# Altium PCB cam_cross_link_generic.PcbDoc (part 1 of 4) (continued)
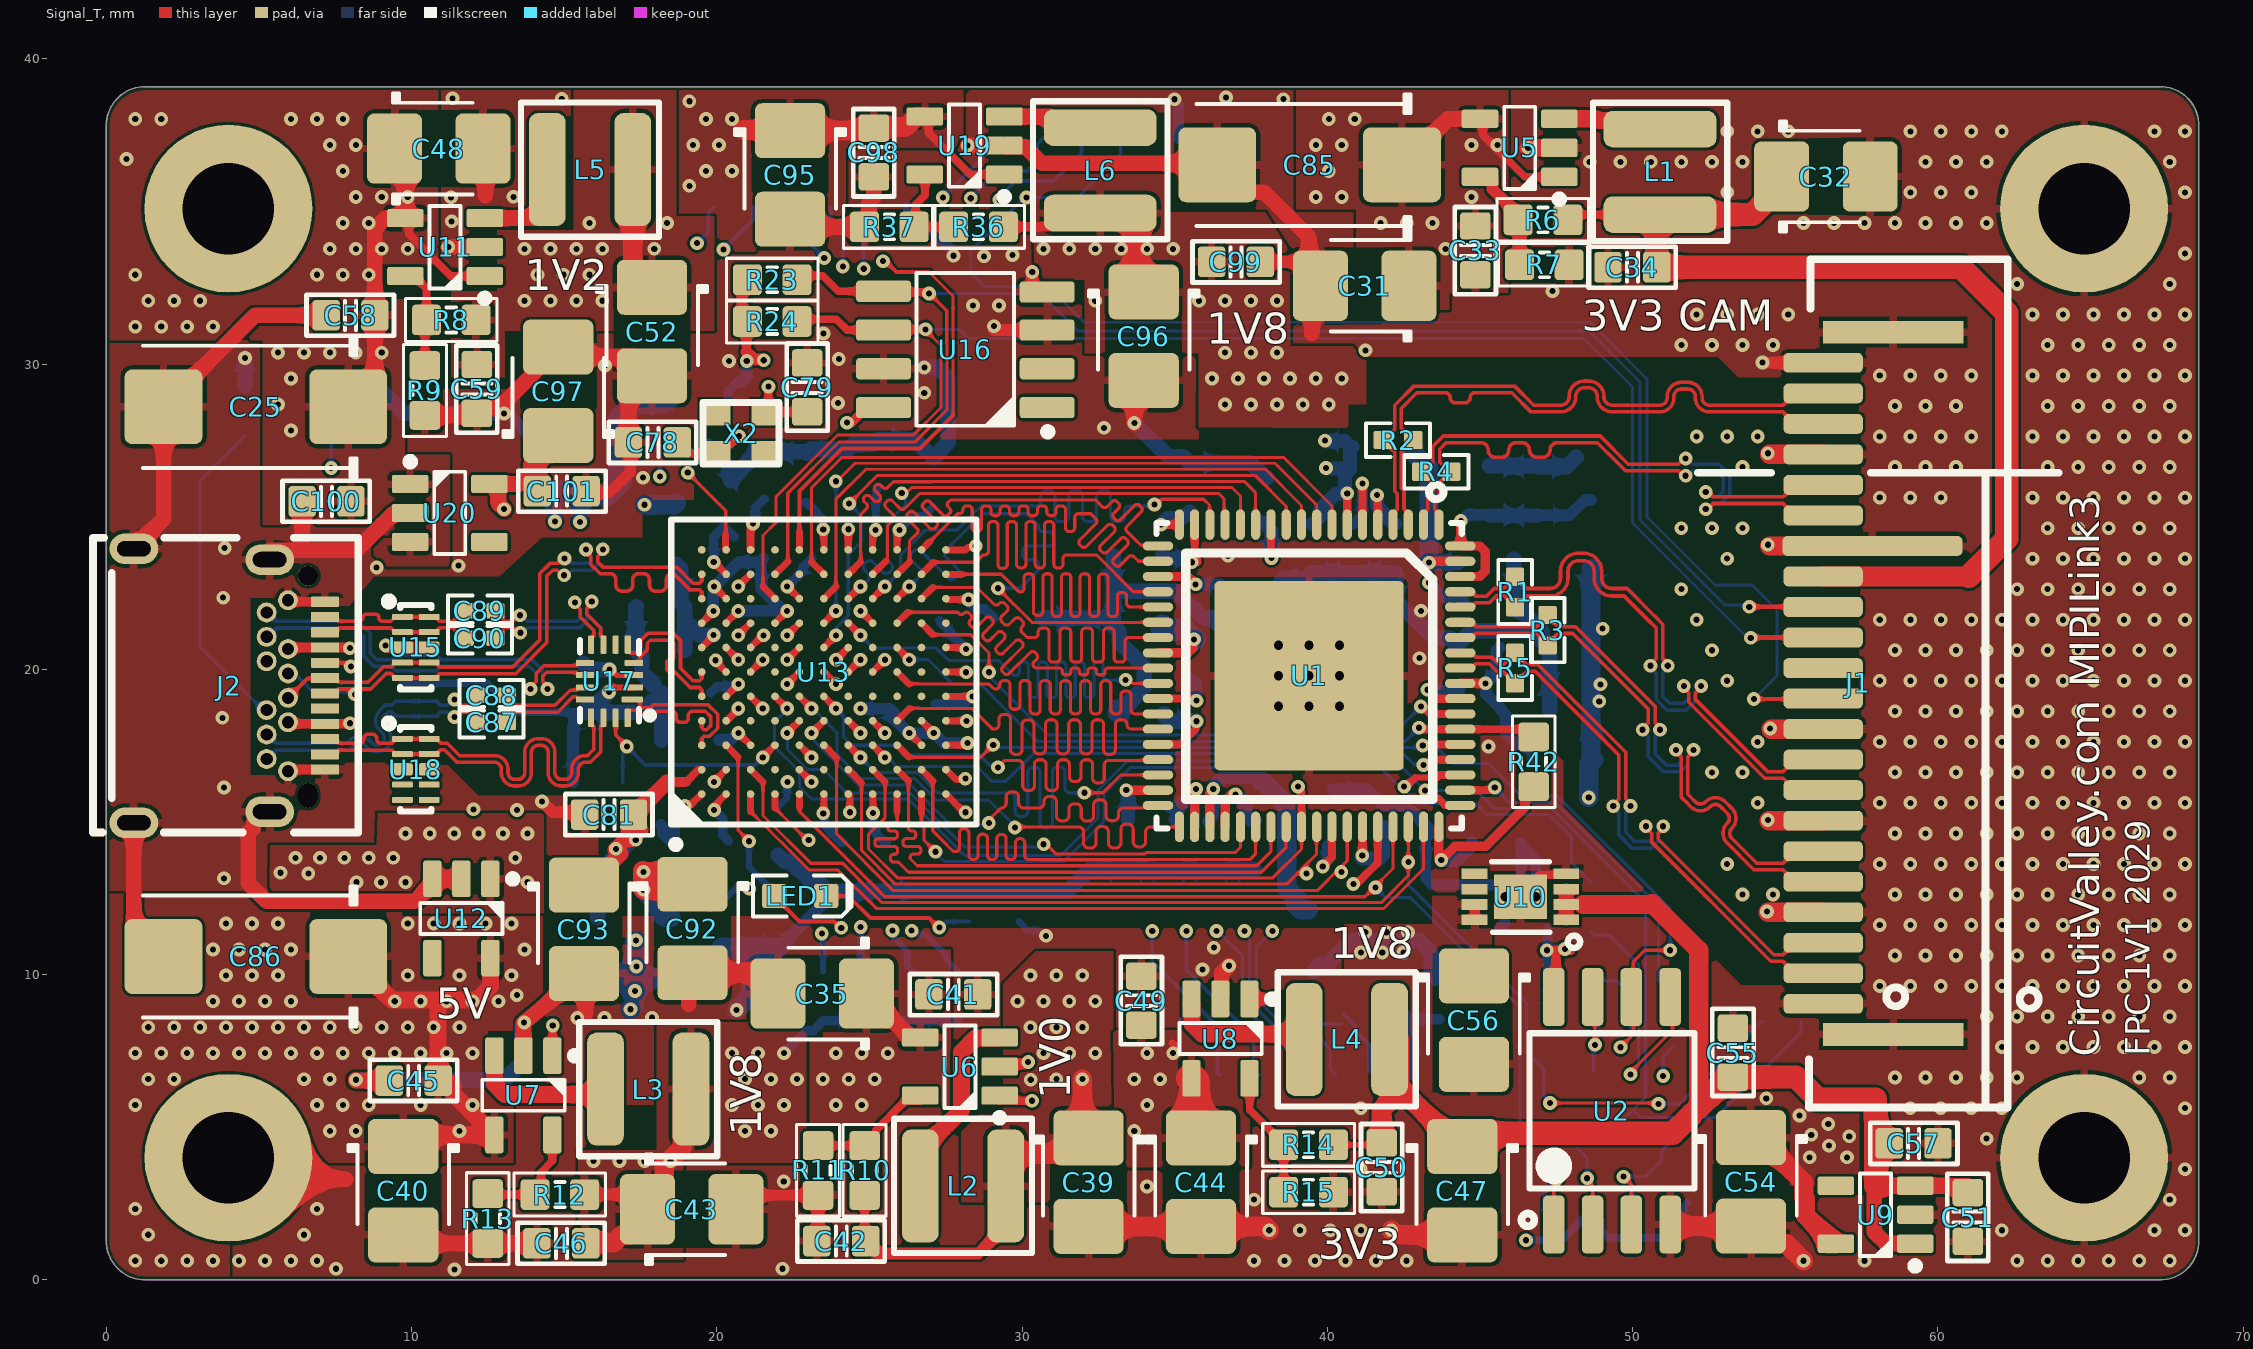
[diagram p0: Signal_T view]
## Footprints (in the part's own frame and the unit in brackets; to place one, negate y for a bottom-side part, rotate by r counter-clockwise, add the part's x,y. Pads: shape width x height; smd on the part's side, far side on the other; paste and mask are expansions set on the pad)
10137062-00021LF [mm] "USB 3.1 USB C"
  oval 1x1.6 hole 0.5 slot 1.1 at 90 deg: 0(-4.446,-2.373) 0(-4.086,2.077) 0(4.174,2.077) 0(4.534,-2.373)
  round 0.65 hole 0.65 unplated: 1(-3.556,3.327)
  oval 0.8x0.65 hole 0.65 slot 0.8 at 0 deg unplated: 1(3.644,3.327)
  rrect20% 0.33x0.93 smd: A1(-2.706,3.887) A2(-2.206,3.887) A3(-1.706,3.887) A4(-1.206,3.887) A5(-0.706,3.887) A6(-0.206,3.887) A7(0.294,3.887) A8(0.794,3.887) A9(1.294,3.887) A10(1.794,3.887) A11(2.294,3.887) A12(2.794,3.887)
  round 0.65 hole 0.4: B1(2.844,2.677) B2(2.444,1.977) B3(1.644,1.977) B4(1.244,2.677) B5(0.844,1.977) B6(0.444,2.677) B7(-0.356,2.677) B8(-0.756,1.977) B9(-1.156,2.677) B10(-1.556,1.977) B11(-2.356,1.977) B12(-2.756,2.677)
  silkscreen extent -4.8,-3.71 4.85,4.98, body extent -4.8,-3.71 4.85,4.99, height 3.19
"Active Oscillator 2520" [mm]
  rect 1x0.85 smd: 1(-0.85,-0.675) 2(0.85,-0.675) 3(0.85,0.675) 4(-0.85,0.675)
  silkscreen extent -1.25,-1 1.25,1, body extent -1.25,-1 1.25,1, height 0.56
CAPC1005N [mm] "Chip Capacitor, Body 1.0x0.5mm, 0402, IPC Medium Density"
  round 0.2 on Mech14: 0(0,0)
  rrect20% 0.6x0.5 smd: 1(-0.5,0) 2(0.5,0)
  Signal_T pour cut-out: -0.2,0.35 0.2,0.35 0.2,-0.35 -0.2,-0.35
  silkscreen extent -1.05,-0.5 1.05,0.5, body extent -0.52,-0.27 0.53,0.28, height 0.55
CAPC1608N [mm] "Chip Capacitor, Body 1.6x0.8mm, 0603, IPC Medium Density"
  round 0.254 on Mech14: 0(0,0)
  rrect25% 0.9x1 smd: 1(-0.8,0) 2(0.8,0)
  silkscreen extent -1.44,-0.67 1.42,0.68, body extent -0.85,-0.45 0.85,0.45, height 0.89
CAPMP3528X210N [mm] "Molded body capacitor, Body 3.5x2.8mm, 1210, IPC Nominal settings"
  round 0.254 on Mech14: 0(0,0)
  rrect25% 1.8x2.3 smd: 1(-1.45,0) 2(1.45,0)
  Signal_T pour cut-out: -0.508,1.27 0.508,1.27 0.508,-1.27 -0.508,-1.27
  silkscreen extent -1.5,-1.8 1.1,1.8, body extent -1.75,-1.4 1.75,1.4, height 2.1
CAPMP7343X310N [mm] "Molded body capacitor, Body 7.3x4.3mm, 2917, IPC Nominal settings"
  round 1 on Mech14: 0(0,0)
  rrect20% 2.55x2.45 smd: 1(-3.025,0) 2(3.025,0)
  silkscreen extent -3.3,-2.3 3.7,2.3, body extent -3.8,-1.97 3.8,1.98, height 3.1
CYP-BZX121 [mm] "BGA, 121-Balls, Body 10x10mm, Pitch 0.8mm"
  round 0.25 smd: A1(-4,4) A2(-3.2,4) A3(-2.4,4) A4(-1.6,4) A5(-0.8,4) A6(0,4) A7(0.8,4) A8(1.6,4) A9(2.4,4) A10(3.2,4) A11(4,4) B1(-4,3.2) B2(-3.2,3.2) B3(-2.4,3.2) B4(-1.6,3.2) B5(-0.8,3.2) B6(0,3.2) B7(0.8,3.2) B8(1.6,3.2) B9(2.4,3.2) B10(3.2,3.2) B11(4,3.2) C1(-4,2.4) C2(-3.2,2.4) C3(-2.4,2.4) C4(-1.6,2.4) C5(-0.8,2.4) C6(0,2.4) C7(0.8,2.4) C8(1.6,2.4) C9(2.4,2.4) C10(3.2,2.4) C11(4,2.4) D1(-4,1.6) D2(-3.2,1.6) D3(-2.4,1.6) D4(-1.6,1.6) D5(-0.8,1.6) D6(0,1.6) D7(0.8,1.6) D8(1.6,1.6) D9(2.4,1.6) D10(3.2,1.6) D11(4,1.6) E1(-4,0.8) E2(-3.2,0.8) E3(-2.4,0.8) E4(-1.6,0.8) E5(-0.8,0.8) E6(0,0.8) E7(0.8,0.8) E8(1.6,0.8) E9(2.4,0.8) E10(3.2,0.8) E11(4,0.8) F1(-4,0) F2(-3.2,0) F3(-2.4,0) F4(-1.6,0) F5(-0.8,0) F6(0,0) F7(0.8,0) F8(1.6,0) F9(2.4,0) F10(3.2,0) F11(4,0) G1(-4,-0.8) G2(-3.2,-0.8) G3(-2.4,-0.8) G4(-1.6,-0.8) G5(-0.8,-0.8) G6(0,-0.8) G7(0.8,-0.8) G8(1.6,-0.8) G9(2.4,-0.8) G10(3.2,-0.8) G11(4,-0.8) H1(-4,-1.6) H2(-3.2,-1.6) H3(-2.4,-1.6) H4(-1.6,-1.6) H5(-0.8,-1.6) H6(0,-1.6) H7(0.8,-1.6) H8(1.6,-1.6) H9(2.4,-1.6) H10(3.2,-1.6) H11(4,-1.6) J1(-4,-2.4) J2(-3.2,-2.4) J3(-2.4,-2.4) J4(-1.6,-2.4) J5(-0.8,-2.4) J6(0,-2.4) J7(0.8,-2.4) J8(1.6,-2.4) J9(2.4,-2.4) J10(3.2,-2.4) J11(4,-2.4) K1(-4,-3.2) K2(-3.2,-3.2) K3(-2.4,-3.2) K4(-1.6,-3.2) K5(-0.8,-3.2) K6(0,-3.2) K7(0.8,-3.2) K8(1.6,-3.2) K9(2.4,-3.2) K10(3.2,-3.2) K11(4,-3.2) L1(-4,-4) L2(-3.2,-4) L3(-2.4,-4) L4(-1.6,-4) L5(-0.8,-4) L6(0,-4) L7(0.8,-4) L8(1.6,-4) L9(2.4,-4) L10(3.2,-4) L11(4,-4)
  silkscreen extent -5.77,-5 5,5, body extent -5,-5 5,5, height 1.2
DFN8_3x2 [mm] "MCP1725"
  rect 0.85x0.35 smd: 1(-1.5,0.75) 2(-1.5,0.25) 3(-1.5,-0.25) 4(-1.5,-0.75) 5(1.5,-0.75) 6(1.5,-0.25) 7(1.5,0.25) 8(1.5,0.75)
  rect 1.75x1.45 smd: 9(0,0)
  silkscreen extent -1.95,-1.14 0.94,1.67, body extent -1.53,-1 1.51,1, height 0.91
FBC2012N [mm] "Ferrite Bead Chip, Body 2.0x1.2mm, 0805, IPC Medium Density"
  round 0.508 on Mech14: 0(0,0)
  rrect25% 0.95x1.35 smd: 1(-1,0) 2(1,0)
  silkscreen extent -0.43,-0.64 0.46,0.64, body extent -1,-0.62 1,0.63, height 0.9
LED-0603-RED [mm]
  round 0.254 on Mech14: 0(0,0)
  rrect25% 0.8x0.8 smd: A(-0.85,0) K(0.85,0)
  Signal_T pour cut-out: -0.5,0.5 0.5,0.5 0.5,-0.5 -0.5,-0.5
  silkscreen extent -1.55,-0.67 1.68,0.67, body extent -0.8,-0.4 0.8,0.4, height 0.75
QFN72_NX [mm] "QFN72 Package For CrossLink NX"
  oval 0.3x1 smd: 1(-4.25,-4.95) 2(-3.75,-4.95) 3(-3.25,-4.95) 4(-2.75,-4.95) 5(-2.25,-4.95) 6(-1.75,-4.95) 7(-1.25,-4.95) 8(-0.75,-4.95) 9(-0.25,-4.95) 10(0.25,-4.95) 11(0.75,-4.95) 12(1.25,-4.95) 13(1.75,-4.95) 14(2.25,-4.95) 15(2.75,-4.95) 16(3.25,-4.95) 17(3.75,-4.95) 18(4.25,-4.95) 37(4.25,4.95) 38(3.75,4.95) 39(3.25,4.95) 40(2.75,4.95) 41(2.25,4.95) 42(1.75,4.95) 43(1.25,4.95) 44(0.75,4.95) 45(0.25,4.95) 46(-0.25,4.95) 47(-0.75,4.95) 48(-1.25,4.95) 49(-1.75,4.95) 50(-2.25,4.95) 51(-2.75,4.95) 52(-3.25,4.95) 53(-3.75,4.95) 54(-4.25,4.95)
  oval 1x0.3 smd: 19(4.95,-4.25) 20(4.95,-3.75) 21(4.95,-3.25) 22(4.95,-2.75) 23(4.95,-2.25) 24(4.95,-1.75) 25(4.95,-1.25) 26(4.95,-0.75) 27(4.95,-0.25) 28(4.95,0.25) 29(4.95,0.75) 30(4.95,1.25) 31(4.95,1.75) 32(4.95,2.25) 33(4.95,2.75) 34(4.95,3.25) 35(4.95,3.75) 36(4.95,4.25) 55(-4.95,4.25) 56(-4.95,3.75) 57(-4.95,3.25) 58(-4.95,2.75) 59(-4.95,2.25) 60(-4.95,1.75) 61(-4.95,1.25) 62(-4.95,0.75) 63(-4.95,0.25) 64(-4.95,-0.25) 65(-4.95,-0.75) 66(-4.95,-1.25) 67(-4.95,-1.75) 68(-4.95,-2.25) 69(-4.95,-2.75) 70(-4.95,-3.25) 71(-4.95,-3.75) 72(-4.95,-4.25)
  rrect5% 6.2x6.2 smd: 73(0,0)
  silkscreen extent -5,-6.26 5,5, body extent -5,-5 5,5, height 0.85
RESC1005N [mm] "Chip Resistor, Body 1.0x0.5mm, EIA 0402, IPC Medium Density"
  round 0.2 on Mech14: 0(0,0)
  rrect20% 0.6x0.6 smd: 1(-0.5,0) 2(0.5,0)
  Signal_T pour cut-out: -0.2,0.35 0.2,0.35 0.2,-0.35 -0.2,-0.35
  silkscreen extent -1.05,-0.55 1.05,0.55, body extent -0.52,-0.27 0.53,0.28, height 0.4
RESC1608N_ZERO [mm] "Chip Resistor, Body 1.6x0.8mm, 0603, IPC Medium Density"
  round 0.254 on Mech14: 0(0,0)
  rrect25% 0.95x1 smd: 1(-0.813,0) 2(0.813,0)
  Signal_T pour cut-out: -0.4,0.6 0.4,0.6 0.4,-0.6 -0.4,-0.6
  silkscreen extent -1.5,-0.7 1.5,0.7, body extent -0.87,-0.47 0.88,0.48, height 0.54
SFW22R [mm] "FCI SFW24R3STE1LF"
  rrect50% 0.65x2.6 smd: 1(-10.5,0.497) 2(-9.5,0.497) 3(-8.5,0.497) 4(-7.5,0.497) 5(-6.5,0.497) 6(-5.5,0.497) 7(-4.5,0.497) 8(-3.5,0.497) 9(-2.5,0.497) 10(-1.5,0.497) 11(-0.5,0.497) 12(0.5,0.497) 13(1.5,0.497) 14(2.5,0.497) 15(3.5,0.497) 17(5.5,0.497) 18(6.5,0.497) 19(7.5,0.497) 20(8.5,0.497) 21(9.5,0.497) 22(10.5,0.497)
  rrect50% 0.65x5.9 smd: 16(4.5,-1.117)
  rect 0.75x4.6 smd: 23(-11.5,-1.8) 24(11.5,-1.8)
  silkscreen extent -13.89,-5.55 13.89,0.97, body extent -13.9,-5.56 13.9,0.94, height 2.71
SMD_3Solder_points_1.27 [mm]
  oval 1.1x1.6 smd: 1(-1.245,0) 2(0.025,0) 3(1.295,0)
  silkscreen extent -2.44,-0.18 -2.03,0.23
SMD_Solder_points_1.27 [mm]
  oval 1.1x1.6 smd: 1(-3.175,-0.025) 2(-1.905,-0.025) 3(-0.635,-0.025) 4(0.635,-0.025) 5(1.905,-0.025) 6(3.175,-0.025)
  silkscreen extent -4.37,-0.2 -3.96,0.2
SOIC8 [mm]
  rrect30% 1x1 on Mech14: 0(0,0)
  rrect30% 1.8x0.7 smd paste-2: 1(-2.68,1.905) 2(-2.68,0.635) 3(-2.68,-0.635) 4(-2.68,-1.88) 5(2.68,-1.905) 6(2.68,-0.635) 7(2.68,0.635) 8(2.68,1.905)
  silkscreen extent -2.83,-2.5 1.6,2.82, body extent -3,-2.45 3,2.45, height 1.75
SOP8 [mm] "MX25L12833F"
  rrect40% 1.9x0.7 smd: 1(-3.727,1.905) 2(-3.727,0.635) 3(-3.727,-0.635) 4(-3.727,-1.905) 5(3.727,-1.905) 6(3.727,-0.635) 7(3.727,0.635) 8(3.727,1.905)
  silkscreen extent -3.78,-2.7 2.54,2.96, body extent -4.07,-2.75 4.07,2.74, height 1.9
SOT23-5 [mm]
  round 0.5 on Mech14: 0(0,0)
  rrect25% 1.2x0.6 smd: 1(-1.3,0.95) 2(-1.3,0) 3(-1.3,-0.95) 4(1.3,-0.95) 5(1.3,0.95)
  silkscreen extent -1.42,-1.35 0.51,1.81, body extent -1.4,-1.45 1.4,1.45, height 1.44
TAIYO_NRS4018T2R2MDGJ [mm] "TAIYO"
  rrect50% 1.2x3.7 smd: 1(-1.4,0) 2(1.4,0)
  silkscreen extent -2.26,-2.2 2.26,2.2, body extent -1.5,-1.5 1.5,1.5, height 1.35
uDFN-10 [mm] "SP3010-04UTG"
  rrect30% 0.2x0.675 smd: 1(1,0.437) 2(0.5,0.437) 4(-0.5,0.437) 5(-1,0.437) 6(-1,-0.437) 7(-0.5,-0.437) 9(0.5,-0.437) 10(1,-0.437)
  rrect30% 0.4x0.675 smd: 3(0,0.437) 8(0,-0.437)
  silkscreen extent -1.38,-0.51 1.64,1.02, body extent -1.24,-0.51 1.27,0.51, height 0.5
UQFN-16 [mm] "HD3SS3202"
  rrect30% 0.7x0.2 smd: 1(-0.75,0.6)
  rrect30% 0.6x0.2 smd: 2(-0.8,0.2) 3(-0.8,-0.2) 4(-0.8,-0.6) 9(0.8,-0.6) 10(0.8,-0.2) 11(0.8,0.2) 12(0.8,0.6)
  rrect30% 0.2x0.6 smd: 5(-0.6,-1.2) 6(-0.2,-1.2) 7(0.2,-1.2) 8(0.6,-1.2) 13(0.6,1.2) 14(0.2,1.2) 15(-0.2,1.2) 16(-0.6,1.2)
  silkscreen extent -1.43,-1.35 0.97,1.32, body extent -0.91,-1.31 0.91,1.31, height 0.57

## Part data
C1 C2 C3 C4 C5 C6 C7 C8 C9 C10 C11 C12 C13 C14 C15 C16 C17 C18 C19 C20 C21 C22 C23 C24 C33 C34 C41 C42 C45 C46 C49 C50 C51 C53 C55 C57 C58 C59 C60 C61 C62 C63 C64 C65 C66 C67 C68 C69 C70 C71 C72 C73 C74 C75 C76 C77 C78 C79 C80 C81 C82 C91 C94 C98 C99 C100 C101: library part CAPC_10p_0603_NP0_1%_50V, "Capacitor SMD Cer 10pF 5% 50V NP0 0603", Manufacturer 1="Murata Electronics North America", Manufacturer Part Number 1=GRM1885C1H100FA01J, Operating Temperature="-55°C ~ 125°C", Package / Case="0603 (1608 Metric)", Ratings="50V; NP0", Supplier Part Number 1=GRM1885C1H100FA01J-ND, Tolerance=±5%, Part=C0603X104K5RAC, Size / Dimension="0.063\" L x 0.032\" W (1.60mm x 0.81mm)", Supplier 1=Digi-Key, Thickness (Max)="0.035\" (0.90mm)"
C25 C85 C86: library part CAPT_330u_2917_6V3, "Capacitor SMD Tant 330uF 20% 6V3 2917", ESR (Equivalent Series Resistance)="15 mOhm", Manufacturer Part Number=T520D337M006ATE015, Manufacturer Size Code=D, Operating Temperature="-55°C ~ 125°C", Package / Case="2917 (7343 Metric)", Ratings=6.3V, Supplier Part Number 1=399-4052-1-ND, Tolerance=±20%, ComponentLink1Description="T520D Datasheet", ComponentLink1URL=http://www.kemet.com/datasheets&T520D337M006ATE015, Height - Seated (Max)="0.122\" (3.10mm)", Material="Solid Tantalum", Part=TAJD336K020R, Size / Dimension="0.287\" L x 0.169\" W (7.30mm x 4.30mm)", Supplier 1=Digi-Key
C31 C32 C35 C39 C40 C43 C44 C47 C48 C52 C54 C56 C92 C93 C95 C96 C97: library part CAPT_47u_1210_6V3, "Capacitor SMD Tantalum 47uF 20% 6.3V 1210", ESR (Equivalent Series Resistance)="70.0 mOhm", Manufacturer 1="AVX Corporation", Manufacturer Part Number 1=TCJB476M006R0070, Manufacturer Size Code=B, Operating Temperature="-55°C ~ 125°C", Package / Case="1210 (3528 Metric)", Ratings=10V, Supplier Part Number 1=478-3139-1-ND, Tolerance=±20%, Voltage - Rated=6V3, ComponentLink1Description=http://www.avx.com/docs/Catalogs/tcj.pdf, ComponentLink1URL=http://www.avx.com/docs/Catalogs/tcj.pdf, Height - Seated (Max)="0.083\" (2.10mm)", Material=Tantalum, Size / Dimension="0.138\" L x 0.110\" W (3.50mm x 2.80mm)", Supplier 1=Digi-Key, Type=Molded
C87 C88 C89 C90: library part CAPC_10n_0402_16V_10%, "Capacitor SMD Cer 10nF 10% 16V X7R 0402", Manufacturer 1="AVX Corporation", Manufacturer 2=Yageo, Manufacturer Part Number 1=0402YC103KAT2A, Manufacturer Part Number 2=CC0402KRX7R7BB103, Operating Temperature="-55°C ~ 125°C", Package / Case="0402 (1005 Metric)", Ratings="16V; X7R", Supplier Part Number 1=478-1114-1-ND, Tolerance=±10%, ComponentLink1Description=http://www.avx.com/docs/Catalogs/cx7r.pdf, ComponentLink1URL=http://www.avx.com/docs/Catalogs/cx7r.pdf, ComponentLink2Description=http://www.yageo.com/documents/recent/UPY-GPHC_X7R_6.3V-to-50V_8.pdf, ComponentLink2URL=http://www.yageo.com/documents/recent/UPY-GPHC_X7R_6.3V-to-50V_8.pdf, Size / Dimension="0.039\" L x 0.020\" W (1.00mm x 0.50mm)", Supplier 1=Digi-Key, Supplier 2=Digi-Key, Supplier Part Number 2=311-1042-1-ND
FB1 FB2 FB3 FB4 FB5 FB6 FB7 FB8: library part FERRITE_0805, "Ferrite bead 2.2K Ohm at 100 MHz 200mA 0805 SMD", Current Rating=200mA, DC Resistance (DCR)="800 mOhm Max", Impedance @ Frequency="600 Ohm @ 100MHz", Manufacturer 1="Laird-Signal Integrity Products", Manufacturer Part Number 1=HZ0805B222R-10, Package / Case="0805 (2012 Metric)", Ratings="200 mA; 800 mOhm DC", Supplier Part Number 1=240-2562-1-ND, ComponentLink1Description=http://www.lairdtech.com/WorkArea/linkit.aspx?LinkIdentifier=id&ItemID=4879, ComponentLink1URL=http://www.lairdtech.com/WorkArea/linkit.aspx?LinkIdentifier=id&ItemID=4879, Filter Type="Differential Mode - Single", Height (Max)="0.043\" (1.09mm)", Mounting Type="Surface Mount", Size / Dimension="0.063\" L x 0.031\" W (1.60mm x 0.80mm)", Supplier 1=Digi-Key
J1: "22 Pin FPC"
J2: library part USB_C, "USB C connector"
L1 L2 L3 L4 L5 L6: library part inductor_smd, PartNumber=NRS4018T2R2MDGJ
LED1: library part LED_SMD_Red_0603_220mcd, "LED 0603 SMD Hyper Red 630nm 220mcd 20mA", Manufacturer 1="Kingbright Corp", Manufacturer Part Number 1=APT1608SURCK, Package / Case="0603 (1608 metric)", Ratings="220 mcd; 630 nm", Supplier Part Number 1=754-1123-1-ND, Voltage - Forward (Vf) @ 10mA=1.9V, Voltage - Forward (Vf) Typ=1.95V, Material="AlGaInP on GaAs", Supplier 1=Digi-Key
P1 P2 P3: "Header, 6-Pin", LatestRevisionDate=17-Jul-2002, LatestRevisionNote="Re-released for DXP Platform.", Publisher="Altium Limited"
P4: "Header, 3-Pin", LatestRevisionDate=17-Jul-2002, LatestRevisionNote="Re-released for DXP Platform.", Publisher="Altium Limited"
R1 R2 R3 R4 R5: library part RES_1M_0402_5%, "Resistor SMD chip 1M Ohm 0.063W 5% 0402", Manufacturer 1="Vishay Dale", Manufacturer 2=Yageo, Manufacturer Part Number 1=CRCW04021M00JNED, Manufacturer Part Number 2=RC0402JR-071ML, Package / Case="0402 (1005 Metric)", Power Rating="0.063W, 1/16W", Ratings="1/16 W", Supplier Part Number 1=541-1.0MJCT-ND, Tolerance=±5%, ComponentLink1Description=http://www.vishay.com/doc?20035, ComponentLink1URL=http://www.vishay.com/doc?20035, ComponentLink2Description=http://www.yageo.com/documents/recent/PYu-RC0402_51_RoHS_L_6.pdf, ComponentLink2URL=http://www.yageo.com/documents/recent/PYu-RC0402_51_RoHS_L_6.pdf, Material="Thick Film", Supplier 1=Digi-Key, Supplier 2=Digi-Key, Supplier Part Number 2=311-1.0MJRCT-ND
R6 R7 R8 R9 R10 R11 R12 R13 R14 R15 R16 R17 R19 R20 R21 R22 R23 R24 R25 R26 R27 R28 R29 R30 R31 R32 R33 R34 R35 R36 R37 R38 R39 R40 R41 R42 R43: library part RES_0R_0603, "Resistor SMD chip 0.0 Ohm 0.1W 0603", Manufacturer 1=Vishay/Dale, Manufacturer Part Number 1=CRCW06030000Z0EA, Package / Case="0603 (1608metric)", Ratings=1/10W, Supplier Part Number 1=541-0.0GCT-ND, Tolerance=±5%, Supplier 1=Digi-Key
U1: "QFN 72 LIFCL"
U2: library part MX25L12833F, "Flash 128Mbit for Lattice FPGA"
U10: library part MCP1725, "LDO"
U12: "USB Overvoltage Protection"
U13: "EZ-USB(R) FX3: SuperSpeed USB Controller, 512 KB, 60 I/Os, 0 to 70 degC, 121-Pin FBGA (BZX121)", Manufacturer=Cypress, Max. Operating Temp. (degreesC)=70, Max. Operating Voltage (V)=1.25, Min. Operating Temp. (degreesC)=0, Min. Operating Voltage (V)=1.15, Supplier Part Number 1=428-3182-ND, Code_JEDEC="PUB 95", ComponentLink1Description="Manufacturer URL", ComponentLink1URL=http://www.cypress.com/, ComponentLink2Description=Datasheet, ComponentLink2URL=http://www.cypress.com/?docID=49087, ComponentLink3Description="Package Specification", ComponentLink3URL=http://www.cypress.com/?docID=45795, CPU Core="ARM926 EJ-S", DatasheetVersion="Rev. *O", Memory Architecture=SRAM, Memory Size (KB)=512, Mounting Technology="Surface Mount", No. of I/Os=60, PackageDescription="121-Ball FBGA, Body 10 x 10 mm, Pitch 0.8 mm", PackageReference=BZX121, PackageVersion="Rev. *D", PartNumber=CYUSB3014-BZXC, RoHS=Pb-Free, Supplier 1=Digi-Key, Supplier 2=Farnell, Supplier 3=Newark, Supplier 4=Mouser, Supplier Part Number 2=2355789, Supplier Part Number 3=54W7901, Supplier Part Number 4=727-CYUSB3014-BZXC
U14 U15 U18: "ESD Protection"
U16: "2Mbit I2C EEPROM"
U17: "USB 3.0 Mux"
X2: library part Crystal, "Crystal Oscillator"

## Free pads (board coordinates)
  round 5.5 hole 3: 0(4,4) 0(4,35.091) 0(64.795,4) 0(64.795,35.091)

## Via types
v1: diameter 0.45, hole 0.2, Signal_T to Signal_B, tented both sides, 865 vias
v2: diameter 0.5, hole 0.3, Signal_T to Signal_B, 9 vias
v3: diameter 0.45/0.2/0.2/0.2/0.2/0.2 (per signal layer), hole 0.2, Signal_T to Signal_B, tented both sides, 8 vias
v4: diameter 0.7, hole 0.3, Signal_T to Signal_B, 2 vias

## Nets (pads, with @x,y where several pads share a name; then routed paths per layer and width w, separated by ;. In a path a pad name is that pad's centre, name@x,y a point inside that pad or via, vN(x,y) a via of type N, cw(c..) or ccw(c..) an arc to the next point about the centre after c; other vN are vias at no path point)
1V0: C17.2 C18.2 C19.2 C20.2 C21.2 C22.2 C23.2 C24.2 C39.1 C42.2 L2.2 R10.1 U1.5 U1.6 U1.12 U1.21 U1.35 U1.38 U1.40 U1.62 | length 32.5
  Signal_T w0.254: R10.1@24.841,2.768 24.841,1.27 C42.2@24.879,1.27 24.879,1.247 25.262,0.864 C42.2@25.285,0.864 ; L2.2@29.467,1.762 L2.2@29.467,3.073 ; U1.12@38.155,24.74 38.155,23.669 v1(38.176,23.647) ; v1(41.148,26.086) 41.155,26.079 U1.6@41.155,24.74 ; v1(41.631,25.705) 41.655,25.681 U1.5@41.655,24.74
  Signal_T w0.279: v1(43.282,19.329) 43.571,19.04 U1.62@44.007,19.04
  Signal_T w0.305: v1(33.414,16.04) U1.35@34.455,16.04 ; U1.21@34.455,23.04 35.431,23.04 v1(35.687,22.784) ; U1.38@35.655,14.84 35.655,15.981 35.703,16.029 v1(35.703,16.077) ; U1.40@36.655,14.84 36.655,15.703 36.855,15.903 36.86,15.899 v1(36.996,15.899)
  Signal_T w0.381: C42.2@25.286,0.864 28.569,0.864 L2.2@29.467,1.762
  Signal_T w0.635: L2.2@29.467,3.073 29.467,3.84 29.749,4.122 31.831,4.122 C39.1@32.08,4.371 ; v1(31.975,6.574) 31.975,4.857 C39.1@32.182,4.65
  Signal_B w0.305: C24.2@36.513,22.784 C24.2@36.64,22.657 ; v1(43.282,19.329) 44.336,19.329 C20.2@44.374,19.368 ; C20.2@44.152,19.146 C20.2@44.374,19.146
  Signal_B w0.356: C21.2@40.869,24.765 40.876,24.765 41.148,25.037 41.148,25.555 41.151,25.558 41.151,26.083 v1(41.148,26.086)
  Signal_B w0.381: v1(35.687,22.784) C24.2@36.513,22.784
  Signal_B w0.457: v1(33.414,16.04) 33.477,15.977 C17.2@33.477,15.075 ; C18.2@35.027,15.075 35.075,15.123 35.075,15.449 v1(35.703,16.077) ; v1(36.996,15.899) 37.325,15.57 37.325,15.521 37.336,15.509 37.336,15.253 37.54,15.049 C19.2@37.627,15.049 ; C23.2@37.884,24.816 C23.2@38.024,24.676 38.176,24.524 v1(38.176,23.647) ; v1(41.631,25.705) 41.631,25.349 41.943,25.036 41.943,24.986 42.165,24.765 C22.2@42.215,24.765
  other v1: 30.286,6.555 31.125,6.574 30.7,7.424 31.55,7.424 32.4,7.424 30.275,8.274 31.125,8.274 31.975,8.274 29.85,9.124 30.7,9.124 31.55,9.124 32.4,9.124 30.275,9.974 31.125,9.974 31.975,9.974
1V2: C52.1 C59.2 C68.2 C69.2 C70.2 C71.2 C72.2 C73.2 C74.2 C75.2 FB5.1 FB6.1 FB7.1 L5.2 R8.1 U13.B10 U13.C3 U13.E9 U13.F11 U13.H1 U13.J11 U13.L5 U13.L7 | length 25.3
  Signal_T w0.229: v1@19.899,23.499 19.922,23.499 U13.B10@20.307,23.113 ; v1@20.701,17.907 20.714,17.907 U13.C3@21.107,17.513 ; v1@22.301,22.708 22.313,22.708 U13.E9@22.707,22.313 ; U13.F11@23.507,23.913 v1@23.507,24.566 ; U13.H1@25.107,15.913 25.116,15.904 25.116,15.871 25.121,15.867 v1(25.121,15.291) ; U13.J11@25.907,23.913 25.907,24.418 25.984,24.495 v1(25.984,24.562) ; U13.L5@27.507,19.113 28.383,19.113 v1(28.387,19.109) ; U13.L7@27.507,20.713 28.048,20.713 28.102,20.659 v1(28.169,20.659)
  Signal_T w0.254: v1(23.488,24.585) v1@23.507,24.566
  Signal_T w0.635: L5.2@17.25,36.373 17.25,33.474 17.272,33.452 17.272,33.097 17.855,32.514 C52.1@17.882,32.514
  Signal_B w0.254: v1(25.984,24.562) 26.454,25.032 26.784,25.032 C68.2@27.076,25.324
  Signal_B w0.305: v1@19.899,23.499 19.899,24.338 20.197,24.636 C70.2@20.246,24.636 ; C70.2@20.223,24.636 20.273,24.636 C70.2@20.571,24.338 ; v1@22.301,22.709 22.816,23.224 22.816,23.324 C71.2@23.114,23.622 ; C69.2@22.908,25.459 22.958,25.459 23.256,25.161 23.256,25.111 23.449,24.918 23.449,24.663 23.461,24.652 23.461,24.596 v1@23.449,24.585 ; v1(25.121,15.291) 25.121,14.757 25.205,14.673 25.205,14.623 25.502,14.325 C75.2@25.552,14.325 ; C73.2@27.155,18.875 28.136,18.875 28.37,19.109 v1(28.387,19.109) ; C74.2@27.298,21.586 27.596,21.288 27.596,21.232 v1(28.169,20.659)
  Signal_B w0.381: C72.2@20.059,17.685 20.461,17.685 20.682,17.907 v1@20.701,17.907
  Signal_B w0.635: FB7.1@16.104,9.871 17.297,9.871 ; v1(17.17,8.865) 17.297,8.992 17.297,9.871 ; v1(17.35,11.12) 17.297,11.067 17.297,9.871 ; v1(17.631,25.39) 18.615,25.39 FB5.1@18.669,25.444 ; FB6.1@18.491,9.871 17.297,9.871
  other v1: 17.324,9.458 17.365,10.263 20.707,17.913 22.307,22.713 19.899,23.513 13.7,32.074 14.55,32.074 15.4,32.074 16.25,32.074 14.125,32.924 14.975,32.924 15.825,32.924 13.7,33.774 14.55,33.774 15.4,33.774 16.25,33.774 17.95,33.774 15.825,34.624 18.375,34.624
1V8: C43.1 C46.2 C62.2 C63.2 C64.2 C65.2 C66.2 C67.2 FB4.1 L3.2 R12.1 R22.2 R23.2 R24.1 R25.2 R26.2 R27.2 U13.B1 U13.C11 U13.E3 U13.F1 U13.H11 U13.L9 U16.8 | length 34.3
  Signal_T w0.229: v1(19.914,15.392) 19.961,15.44 19.961,15.567 U13.B1@20.307,15.913 ; U13.E3@22.707,17.513 23.101,17.12 v1@23.114,17.12 ; v1@23.507,15.36 U13.F1@23.507,15.913 ; U13.H11@25.107,23.913 25.107,24.397 25.205,24.495 v1(25.205,24.562) ; U13.L9@27.507,22.313 27.536,22.285 v1@28.169,22.285
  Signal_T w0.254: U13.C11@21.107,23.913 21.107,24.695 v1(21.184,24.772)
  Signal_T w0.305: R23.2@20.828,32.868 20.828,31.471 20.972,31.327 20.972,30.403 ; v1@21.511,30.152 v1(21.539,30.124) ; v1(24.267,28.079) 24.279,28.067 24.406,28.067 24.913,28.575 U16.8@25.463,28.575
  Signal_T w0.381: R12.1@15.71,2.756 R12.1@15.672,2.794 17.244,2.794 C43.1@17.727,2.311 ; 20.972,30.403 21.222,30.152 v1@21.511,30.152
  Signal_T w0.635: C46.2@15.71,1.194 15.741,1.225 16.64,1.225 16.895,1.479 17.145,1.479 17.727,2.061 C43.1@17.727,2.311 18.281,2.866 18.281,3.752 18.872,4.343 18.872,5.966 L3.2@19.155,6.248
  Signal_INT w0.203: v1@22.316,16.292 v1(22.316,16.313) v1@22.316,16.321
  Signal_INT w0.254: v1@22.316,16.321 v1@23.114,17.12
  Signal_B w0.229: C63.2@22.022,15.507 22.299,15.784 22.299,16.276 v1@22.316,16.292
  Signal_B w0.254: v1(25.205,24.562) 25.205,25.853 C62.2@25.273,25.921
  Signal_B w0.305: v1(19.914,15.392) 20.196,15.11 20.196,14.564 C67.2@20.383,14.376 ; FB4.1@20.38,28.905 20.38,29.105 20.703,29.428 FB4.1@20.802,29.428 ; v1(20.98,30.099) 21.514,30.099 v1(21.539,30.124) ; v1(21.184,24.772) 21.184,24.811 21.263,24.891 21.263,25.284 C65.2@21.559,25.58 ; v1(22.2,7.424) 22.936,8.161 23.162,8.161 R22.2@23.485,8.483 R27.2@27.903,8.483 ; v1@23.49,15.206 23.518,15.178 23.518,14.938 23.782,14.673 23.782,14.623 24.08,14.325 C66.2@24.13,14.325 ; v1@28.169,22.285 28.468,21.985 28.773,21.985 29.07,21.688 C64.2@29.07,21.666
  Signal_B w0.381: FB4.1@20.802,29.428 20.98,29.606 v1(20.98,30.099)
  other v1: 15.965,3.886 16.815,3.886 17.634,3.884 18.484,3.884 20.925,4.874 21.775,4.874 20.5,5.724 21.35,5.724 22.2,5.724 20.925,6.574 21.775,6.574 22.625,6.574 20.5,7.424 21.35,7.424 23.49,15.282 23.107,17.113 28.245,22.285
3V3: C47.1 C50.2 C51.2 C55.2 C57.2 L4.2 R14.1 U9.1 U9.3 U10.1 U10.2 U10.3 | length 43.2
  Signal_T w0.178: R14.1@40.199,4.42 41.72,4.42 C50.2@41.783,4.483
  Signal_T w0.381: U10.1@47.83,11.798 U10.2@47.83,12.298 ; U10.3@47.83,12.798 U10.2@47.83,12.298 ; 48.387,12.294 48.383,12.298 U10.2@47.83,12.298
  Signal_T w0.508: U9.1@59.263,1.184 58.303,1.184 57.912,1.575 57.912,2.786 58.21,3.084 U9.3@59.263,3.084 60.985,3.084 C51.2@60.985,2.857
  Signal_T w0.635: C50.2@41.783,4.483 41.783,5.581 42.37,6.168 L4.2@42.37,7.874 ; L4.2@42.37,6.287 43.592,5.065 43.592,4.954 44.175,4.371 C47.1@44.348,4.371 ; 48.387,12.294 50.622,12.294 50.648,12.319 52.172,10.795 52.172,5.65 51.95,5.429
  Signal_T w0.762: C47.1@44.425,4.371 44.854,4.801 51.322,4.801 51.95,5.429 ; 52.172,5.65 53.095,6.573 53.22,6.573 C55.2@53.289,6.642 55.359,6.642 56.083,5.918 57.963,5.918 57.963,3.084 58.21,3.084
+5V: C25.1 C31.1 C33.2 C35.1 C40.1 C41.2 C44.1 C45.2 C48.1 C49.2 C58.2 C85.1 C86.1 C95.1 C98.2 C100.2 U5.1 U5.4 U6.1 U6.4 U7.1 U7.4 U8.1 U8.4 U11.1 U11.4 U12.5 U13.E11 U19.1 U19.4 U20.1 U20.3 | length 78.8
  Signal_T w0.096: 26.949,33.02 27.737,32.233 27.737,31.837 ; 27.743,28.412 27.743,31.83
  Signal_T w0.127: 22.707,24.511 22.707,25.73 22.708,25.847 24.098,27.238 26.662,27.238 27.737,28.313 27.737,28.406 27.743,28.412 ; v1(25.449,33.371) 25.537,33.371 25.887,33.02 26.949,33.02 ; 27.737,31.837 27.743,31.83
  Signal_T w0.229: U13.E11@22.707,23.913 22.707,24.511
  Signal_T w0.254: U11.4@9.8,34.783 9.92,34.663 9.92,34.251 11.288,32.883 U11.1@12.4,32.883 ; U7.1@14.615,7.345 14.625,7.355 v1(14.625,8.333) ; U19.4@26.818,38.11 26.938,37.99 26.938,37.578 28.306,36.21 U19.1@29.418,36.21 ; U6.1@29.265,5.857 30.174,5.867 30.175,5.867 v1(30.328,5.867) ; 34.925,7.747 34.976,7.696 ; U5.4@45.004,38.034 45.099,37.939 45.099,37.502 46.467,36.134 U5.1@47.604,36.134
  Signal_T w0.381: U8.1@37.45,9.199 38.188,9.199 38.209,9.221 v1(38.227,9.221)
  Signal_T w0.508: C25.1@7.927,28.6 8.801,29.474 C58.2@8.801,31.598 8.801,34.43 9.169,34.798 9.785,34.798 U11.4@9.8,34.783 9.8,36.705 C48.1@9.447,37.059 ; C35.1@24.905,9.377 24.905,9.127 25.551,8.481 25.801,8.481 26.301,7.981 26.619,7.981 U6.4@26.665,7.935 ; C85.1@42.446,36.525 42.496,36.525 43.467,37.496 43.467,37.546 43.955,38.034 U5.4@45.004,38.034
  Signal_T w0.559: C86.1@7.927,10.592 7.977,10.592 8.923,9.646 8.923,9.596 9.35,9.169 v1@11.1,9.169 ; C40.1@9.728,4.371 10.102,4.745 U7.4@12.715,4.745 12.715,5.045 12.695,5.066 12.395,5.066 11.359,6.101 11.359,6.332 C45.2@11.189,6.502 ; C45.2@10.871,6.528 10.871,8.941 v1@11.1,9.169 ; U12.5@12.583,10.536 12.583,9.611 12.141,9.169 v1@11.1,9.169
  Signal_T w0.635: 20.853,37.668 22.403,37.668 C95.1@22.403,37.645 25.146,37.645 C98.2@25.146,37.732 25.18,37.766 26.209,37.766 26.553,38.11 U19.4@26.818,38.11
  Signal_T w1: U8.4@35.55,6.599 35.65,6.499 35.65,4.865 C44.1@35.865,4.65
  PWR w0.203: v1(25.449,33.371) 25.476,33.398 25.476,35.636
  PWR w0.254: 36.22,7.696 36.622,7.696 v1@38.076,9.15
  Signal_INT w0.203: v1(25.6,7.424) 27.157,5.867 v1(30.328,5.867)
  Signal_INT w0.254: v1(13.45,9.324) 13.476,9.324 14.468,8.333 v1(14.625,8.333)
  other v1: 0.95,0.624 1.8,0.624 2.65,0.624 3.5,0.624 1.375,1.474 0.95,2.324 7.325,4.874 8.175,4.874 11.575,4.874 33.675,4.874 0.95,5.724 6.9,5.724 7.75,5.724 8.6,5.724 10.3,5.724 12,5.724 23.9,5.724 24.75,5.724 34.1,5.724 1.375,6.574 2.225,6.574 6.475,6.574 7.325,6.574 23.475,6.574 24.325,6.574 25.175,6.574 33.675,6.574 34.525,6.574 0.95,7.424 1.8,7.424 2.65,7.424 3.5,7.424 4.35,7.424 5.2,7.424 6.05,7.424 6.9,7.424 7.75,7.424 8.6,7.424 9.45,7.424 10.3,7.424 11.15,7.424 12,7.424 23.9,7.424 24.75,7.424 34.1,7.424 34.95,7.424 1.375,8.274 2.225,8.274 3.075,8.274 3.925,8.274 4.775,8.274 5.625,8.274 6.475,8.274 7.325,8.274 8.175,8.274 9.025,8.274 9.875,8.274 10.725,8.274 11.575,8.274 3.5,9.124 4.35,9.124 5.2,9.124 6.05,9.124 9.45,9.124 10.3,9.124 11.15,9.124 12,9.124 12.85,9.124 3.925,9.974 4.775,9.974 5.625,9.974 9.875,9.974 11.575,9.974 13.275,9.974 3.5,10.824 4.35,10.824 5.2,10.824 6.05,10.824 13.7,10.824 3.925,11.674 4.775,11.674 5.625,11.674 9.875,11.674 10.725,11.674 11.575,11.674 12.425,11.674 13.275,11.674 6.05,27.824 5.625,28.674 6.05,29.524 5.625,30.374 6.475,30.374 7.325,30.374 8.175,30.374 9.025,30.374 0.95,31.224 1.8,31.224 2.65,31.224 3.5,31.224 1.375,32.074 2.225,32.074 3.075,32.074 0.95,32.924 6.9,32.924 7.75,32.924 8.6,32.924 7.325,33.774 8.175,33.774 9.025,33.774 9.875,33.774 43.875,33.774 7.75,34.624 8.6,34.624 41.75,34.624 42.6,34.624 43.45,34.624 8.175,35.474 9.025,35.474 9.875,35.474 39.625,35.474 40.475,35.474 44.725,35.474 19.101,35.839 7.75,36.324 19.65,36.324 20.5,36.324 40.05,36.324 0.66,36.721 7.325,37.174 8.175,37.174 19.225,37.174 20.075,37.174 39.625,37.174 40.475,37.174 44.725,37.174 45.575,37.174 0.95,38.024 1.8,38.024 6.05,38.024 6.9,38.024 7.75,38.024 19.65,38.024 20.5,38.024 40.05,38.024 40.9,38.024 19.101,38.608
B1_N: C88.2 U17.11 | length 3
  Signal_T w0.117: C88.2@13.124,19.152 13.174,19.152 13.365,18.96 13.365,18.885 13.434,18.817 14.697,18.817 15.199,19.318 15.394,19.318 15.485,19.409 U17.11@15.685,19.409
B1_P: C87.2 U17.12 | length 3
  Signal_T w0.117: C87.2@13.124,18.263 13.174,18.263 13.365,18.454 13.365,18.529 13.434,18.598 14.788,18.598 15.289,19.099 15.394,19.099 15.485,19.009 U17.12@15.685,19.009
C1_N: C90.2 U17.7 | length 5.8
  Signal_T w0.117: C90.2@12.743,21.02 12.793,21.02 12.984,21.211 12.984,21.289 13.053,21.358 13.329,21.358 13.489,21.198 v1(13.564,21.198) ; v1@15.906,22.2 15.906,22.15 15.746,21.99 15.746,21.804 16.194,21.356 16.194,21.099 16.285,21.009 U17.7@16.285,20.809
  Signal_B w0.117: v1(13.564,21.198) 13.639,21.198 13.799,21.358 15.521,21.358 15.746,21.583 15.746,21.99 15.906,22.15 v1@15.906,22.2
  other v1: 15.906,22.225
C1_P: C89.2 U17.8 | length 5.5
  Signal_T w0.117: C89.2@12.743,21.915 12.793,21.915 12.984,21.723 12.984,21.646 13.053,21.577 13.329,21.577 13.489,21.737 v1@13.564,21.737 ; v1@15.367,22.2 15.367,22.125 15.527,21.965 15.527,21.713 15.975,21.265 15.975,21.099 15.885,21.009 U17.8@15.885,20.809
  Signal_B w0.117: v1@13.564,21.737 13.639,21.737 13.799,21.577 15.43,21.577 15.527,21.674 15.527,21.965 15.367,22.125 15.367,22.2 v1@15.367,22.29
  other v1: 13.557,21.772 15.349,22.195
C_3V3: C32.1 C34.2 J1.15 L1.2 R6.1 | length 35.1
  Signal_T w0.254: R6.1@47.574,34.897 L1.2@50.622,34.897
  Signal_T w0.635: C34.2@50.796,33.171 50.789,33.179 50.789,34.784 L1.2@50.902,34.897
  Signal_T w0.65: J1.15@56.246,23.041 61.014,23.041
  Signal_T w0.762: C34.2@50.796,33.171 60.758,33.171 62.255,31.674 62.255,24.282 61.014,23.041 ; L1.2@50.902,34.897 53.922,34.897 54.368,35.343 54.368,35.375 54.629,35.636 C32.1@54.887,35.636
CAM_CLK_N: J1.8 R1.1 U1.69 | length 19.3
  Signal_T w0.117: U1.69@44.355,22.54 44.724,22.54 44.865,22.399 45.223,22.399 45.471,22.647 45.779,22.647 45.911,22.78 45.911,22.789 R1.1@46.152,23.03 46.534,22.648 47.117,22.648 47.298,22.648 ccw(c47.298,22.99) 47.64,22.99 47.64,23.217 cw(c48.228,23.217) 48.228,23.804 48.398,23.804 cw(c48.398,23.217) 48.986,23.217 48.986,22.99 ccw(c49.328,22.99) 49.328,22.648 49.824,22.648 50.665,21.807 50.724,21.749 50.994,21.479 50.994,20.352 51.154,20.192 v1(51.154,20.117) ; v1@51.683,19.456 51.683,19.379 51.841,19.221 51.841,18.919 54.329,16.432 54.936,16.432 55.327,16.041 J1.8@56.246,16.041
  Signal_B w0.117: v1(51.154,20.117) 51.154,20.042 50.994,19.882 50.994,19.105 51.215,18.884 51.672,18.884 51.843,19.055 51.843,19.221 51.683,19.381 v1@51.683,19.456
  other v1: 51.681,19.456
CAM_CLK_P: J1.9 R1.2 U1.68 | length 19.3
  Signal_T w0.117: U1.68@44.355,22.04 44.724,22.04 44.865,22.18 45.314,22.18 45.562,22.428 45.779,22.428 45.911,22.296 45.911,22.27 R1.2@46.152,22.03 46.524,22.402 47.117,22.402 47.298,22.402 ccw(c47.298,22.99) 47.886,22.99 47.886,23.217 cw(c48.228,23.217) 48.228,23.559 48.398,23.559 cw(c48.398,23.217) 48.74,23.217 48.74,22.99 ccw(c49.328,22.99) 49.328,22.402 49.723,22.402 50.491,21.634 50.692,21.433 50.775,21.351 50.775,20.352 50.615,20.192 v1@50.615,20.117 ; v1@52.222,19.456 52.222,19.383 52.06,19.221 52.06,19.01 54.42,16.65 54.936,16.65 55.327,17.041 J1.9@56.246,17.041
  Signal_B w0.117: v1@50.615,20.117 50.615,20.042 50.775,19.882 50.775,19.015 51.124,18.665 51.763,18.665 52.062,18.965 52.062,19.221 52.222,19.381 v1@52.222,19.456
  other v1: 52.248,19.456 50.587,20.117
CAM_D0_N: J1.2 R5.1 U1.65 | length 19.3
  Signal_T w0.117: U1.65@44.355,20.54 44.724,20.54 44.865,20.399 45.394,20.399 45.643,20.15 45.761,20.15 R5.1@46.152,20.541 46.392,20.3 46.392,20.295 46.538,20.15 46.903,20.15 49.774,17.279 49.774,15.754 49.934,15.594 v1(49.934,15.519) ; v1@50.464,14.859 50.464,14.784 50.624,14.624 50.624,14.34 54.533,10.432 54.936,10.432 55.327,10.041 J1.2@56.246,10.041
  Signal_B w0.117: v1(49.934,15.519) 49.934,15.444 49.774,15.284 49.774,14.663 50.076,14.361 50.528,14.361 50.624,14.458 50.624,14.624 50.464,14.784 v1@50.464,14.859
  other v1: 50.436,14.859
CAM_D0_P: J1.3 R5.2 U1.64 | length 19.3
  Signal_T w0.117: U1.64@44.355,20.04 44.724,20.04 44.865,20.18 45.303,20.18 45.552,19.931 45.762,19.931 R5.2@46.152,19.541 ; R5.2@46.152,19.541 46.542,19.931 46.806,19.931 49.555,17.182 49.555,15.754 49.395,15.594 v1@49.395,15.519 ; v1(51.003,14.859) 51.003,14.784 50.843,14.624 50.843,14.431 54.623,10.65 54.936,10.65 55.327,11.041 J1.3@56.246,11.041
  Signal_B w0.117: v1@49.395,15.519 49.395,15.444 49.555,15.284 49.555,14.572 49.985,14.142 50.618,14.142 50.843,14.367 50.843,14.624 51.003,14.784 v1(51.003,14.859)
  other v1: 49.37,15.517
CAM_D1_N: J1.5 R3.1 U1.67 | length 19.3
  Signal_T w0.117: U1.67@44.355,21.54 44.724,21.54 44.865,21.399 46.868,21.399 46.977,21.509 46.977,21.541 R3.1@47.218,21.782 47.458,21.541 47.458,21.5 47.568,21.391 48.132,21.391 50.74,18.783 50.74,18.256 50.9,18.096 v1(50.9,18.021) ; v1@51.429,17.36 51.429,17.285 51.589,17.125 51.589,15.817 51.788,15.619 51.906,15.5 ; 51.907,15.499 ccw(c52.227,15.82) 52.547,15.5 52.552,15.504 ; 52.552,15.505 cw(c52.717,15.34) 52.882,15.505 ; 52.883,15.504 53.102,15.286 ; 53.102,14.954 53.098,14.95 ccw(c53.417,14.63) 53.098,14.309 53.975,13.432 54.252,13.432 54.936,13.432 55.327,13.041 J1.5@56.246,13.041 ; 53.102,14.955 ccw(c52.937,15.12) 53.102,15.285
  Signal_B w0.117: v1(50.9,18.021) 50.9,17.946 50.74,17.786 50.74,17.228 51.105,16.863 51.493,16.863 51.589,16.959 51.589,17.125 51.429,17.285 v1@51.429,17.36
  other v1: 51.427,17.36
CAM_D1_P: J1.6 R3.2 U1.66 | length 19.3
  Signal_T w0.117: U1.66@44.355,21.04 44.724,21.04 44.865,21.18 46.868,21.18 46.977,21.071 46.977,21.022 R3.2@47.218,20.782 47.458,21.022 47.458,21.063 47.568,21.172 48.041,21.172 50.521,18.693 50.521,18.256 50.361,18.096 v1@50.361,18.021 ; v1@51.968,17.36 51.968,17.285 51.808,17.125 51.808,15.908 51.943,15.773 52.061,15.655 ccw(c52.227,15.82) 52.392,15.655 52.397,15.659 cw(c52.717,15.34) 53.038,15.659 53.257,15.44 ; 53.257,14.799 53.253,14.795 ccw(c53.417,14.63) 53.252,14.465 54.066,13.65 54.471,13.65 54.936,13.65 55.327,14.041 J1.6@56.246,14.041 ; 53.257,14.8 ccw(c52.937,15.12) 53.257,15.44
  Signal_B w0.117: v1@50.361,18.021 50.361,17.946 50.521,17.786 50.521,17.137 51.014,16.644 51.583,16.644 51.808,16.869 51.808,17.125 51.968,17.285 v1@51.968,17.36
  other v1: 51.994,17.36 50.333,18.021
CAM_D2_N: J1.17 R4.1 U1.2 | length 19.3
  Signal_T w0.117: U1.2@43.155,24.74 43.155,25.109 43.295,25.25 43.295,25.665 43.469,25.838 43.469,26.123 ; 43.462,26.123 43.352,26.233 43.312,26.233 R4.1@43.071,26.473 43.312,26.714 43.392,26.714 43.462,26.783 43.462,27.304 43.8,27.642 48.939,27.642 49.862,26.719 51.505,26.719 51.665,26.879 v1@51.74,26.879 ; v1@52.4,25.271 52.49,25.271 52.651,25.431 54.936,25.431 55.327,25.041 J1.17@56.246,25.041
  Signal_B w0.117: v1@51.74,26.879 51.815,26.879 51.975,26.719 52.842,26.719 53.192,26.369 53.192,25.731 52.892,25.431 52.635,25.431 52.475,25.271 v1@52.4,25.271
  other v1: 52.4,25.246 51.74,26.905
CAM_D2_P: J1.18 R4.2 U1.1 | length 19.3
  Signal_T w0.117: U1.1@43.655,24.74 43.655,25.109 43.514,25.25 43.514,25.574 43.688,25.748 43.688,26.123 ; 43.684,26.127 43.79,26.233 43.831,26.233 R4.2@44.071,26.473 43.831,26.714 43.75,26.714 43.681,26.783 43.681,27.213 43.891,27.423 44.298,27.423 45.033,27.423 cw(c45.033,27.186) 45.27,27.186 45.27,27.18 ccw(c45.506,27.18) 45.506,26.943 45.709,26.943 ccw(c45.709,27.18) 45.946,27.18 45.946,27.186 cw(c46.183,27.186) 46.183,27.423 46.386,27.423 cw(c46.386,27.186) 46.623,27.186 ccw(c46.86,27.186) 46.86,26.95 47.063,26.95 ccw(c47.063,27.186) 47.299,27.186 cw(c47.536,27.186) 47.536,27.423 48.848,27.423 49.479,26.792 49.772,26.5 51.505,26.5 51.665,26.34 v1(51.74,26.34) ; v1@52.4,25.81 52.49,25.81 52.65,25.65 54.936,25.65 55.327,26.041 J1.18@56.246,26.041
  Signal_B w0.117: v1(51.74,26.34) 51.815,26.34 51.975,26.5 52.751,26.5 52.973,26.279 52.973,25.821 52.801,25.65 52.635,25.65 52.475,25.81 v1@52.4,25.81
  other v1: 52.4,25.812